# KiCad board beaglebone-ai-rev-a2.kicad_pcb (continued)
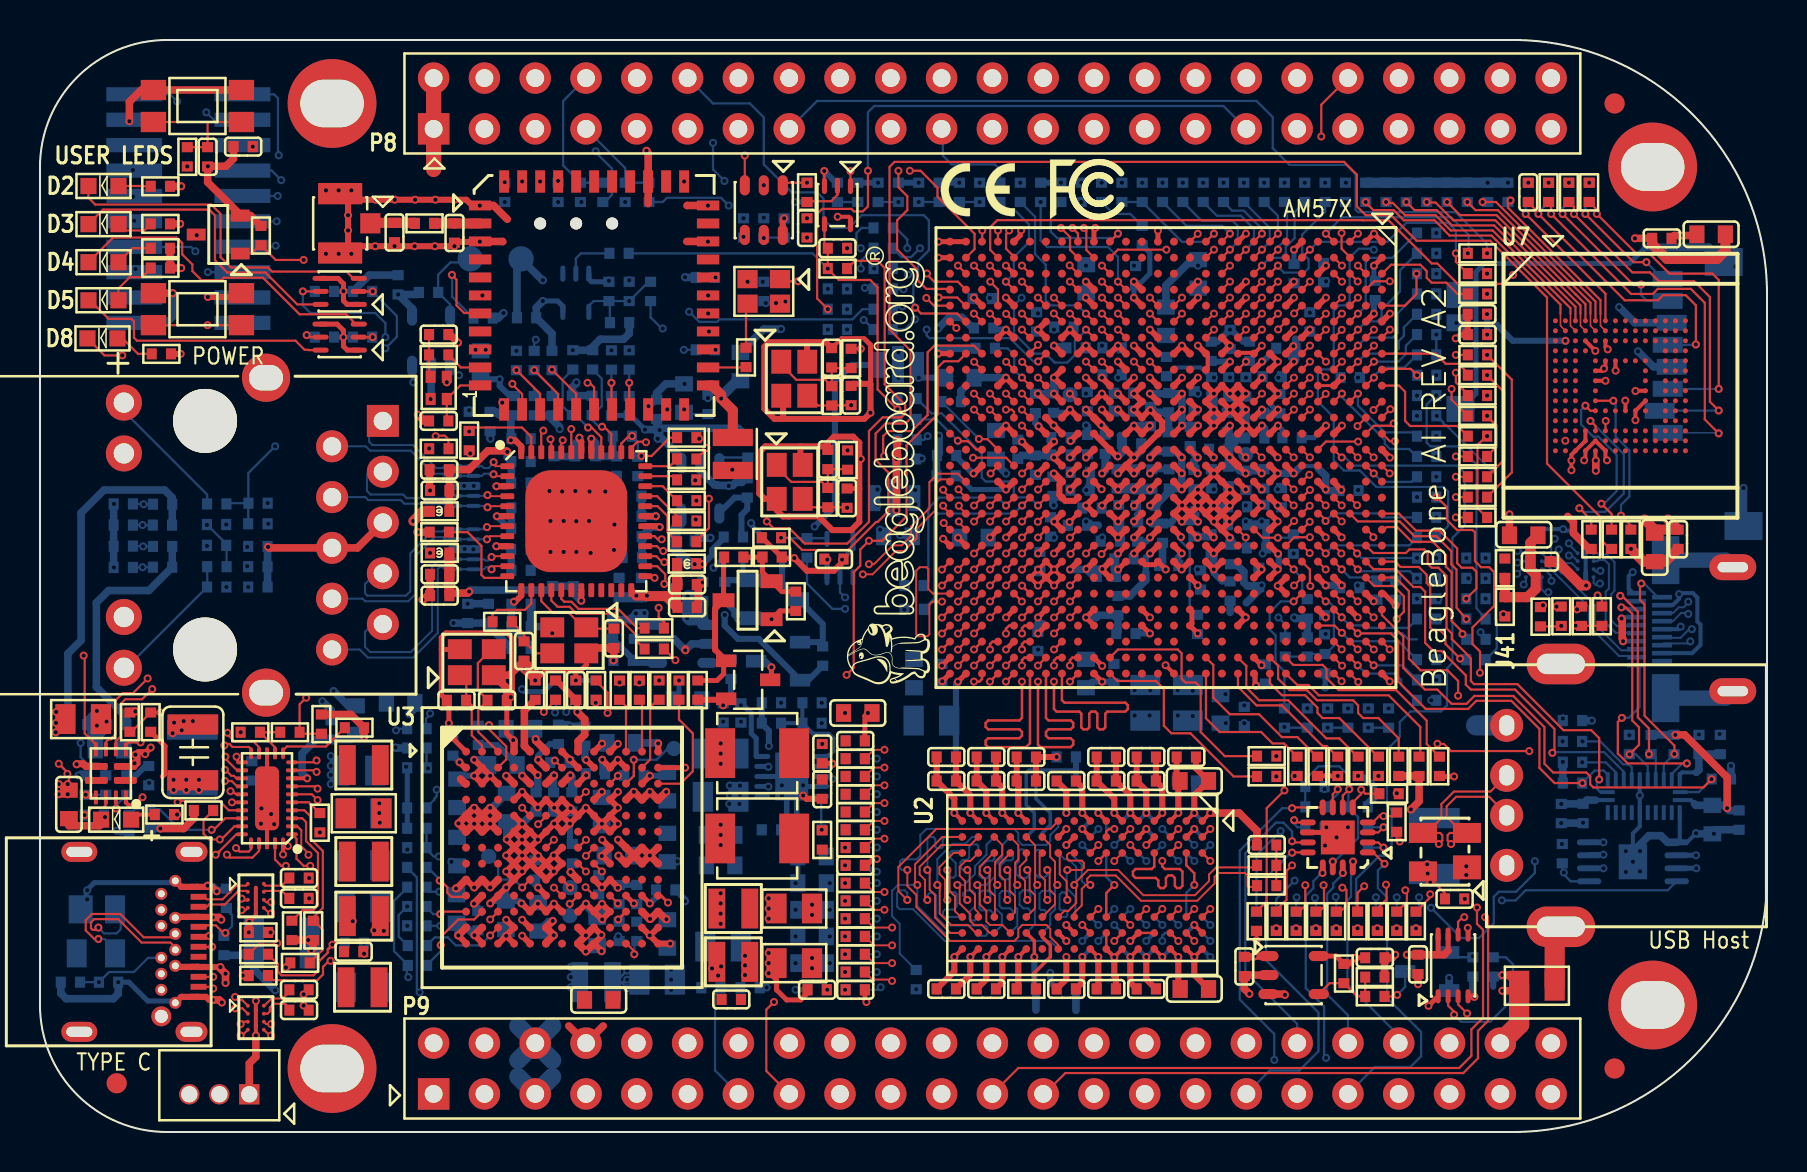
[diagram p0: board, top side]
## Copper pours and planes (outline as drawn; the poured copper is in the pictures) (continued)
Earth on BOTTOM: 76.84,41.68 79.32,41.68 79.78,41.22 79.78,38.46 80.06,38.18 80.06,36.68 79.55,36.17 79.2,36.17 79.02,36.35 79.02,36.83 78.89,36.96 77.01,36.96 76.63,36.58 76.63,34.93 77.17,34.39 77.88,34.39 78.54,33.73 78.54,32.66 77.93,32.05 73.96,32.05 73.58,32.44 73.58,38.63 73.86,38.91 76.48,38.91 76.73,39.17 76.73,41.58
Earth on BOTTOM: 52.83,31.57 55.02,31.57 55.17,31.42 55.17,30.84 55.07,30.73 54.51,30.73 54.25,30.99 53.62,30.99 53.37,30.73 53.37,29.31 53.29,29.24 52.78,29.24 52.63,29.39 52.63,30.81 52.78,30.96 52.78,31.52
Earth on BOTTOM: 21.67,38.2 23.01,38.2 23.19,38.02 23.19,34.52 23.06,34.39 22.2,34.39 21.67,33.86 19.91,33.86 18.72,35.05 18.72,37.39 19.33,38 19.33,38.58 19.46,38.71 19.68,38.71 19.79,38.61 19.79,38.18 20.4,37.57 21.03,37.57
Earth on BOTTOM: 71.48,18.9 71.48,15.65 70.97,15.14 68.5,15.14 68.15,15.49 68.15,19.43 68.94,20.22 69.95,20.22 69.98,20.19 70.43,20.19 71.6,21.36 73.58,21.36 74.14,20.8 74.14,19.76 73.76,19.38 71.96,19.38
Earth on BOTTOM: 60.05,31.62 60.55,31.62 60.68,31.5 60.68,30.91 60.83,30.76 60.83,30.23 60.71,30.1 60.05,30.1 59.99,30.15 59.99,31.57
Earth on BOTTOM: 80.06,34.24 82.63,34.24 82.91,33.96 82.91,31.95 82.22,31.27 80.39,31.27 79.88,31.78 79.88,34.06
Earth on BOTTOM: 43.56,27.69 43.56,25.27 42.77,24.49 42.77,23.14 43.18,22.73 45.21,22.73 45.36,22.58 45.36,22.15 45.03,21.82 44.73,21.82 44.58,21.67 44.58,19.69 45.19,19.08 45.19,18.06 44.98,17.86 43.26,17.86 41.81,19.3 41.02,19.3 41.02,19.96 41,19.96 40.54,20.42 39.95,20.42 39.67,20.7 39.67,24.54 41.02,25.88 41.02,27.31 41.4,27.69
Earth on BOTTOM: 13.49,47.62 22.22,47.62 22.56,47.29 22.56,44.32 22.4,44.17 22.2,44.17 21.87,44.5 21.16,44.5 19.84,43.18 13.54,43.18 13,43.71 13,47.14
Earth on BOTTOM: 61.72,19.38 66.7,19.38 66.98,19.1 66.98,18.26 66.42,17.7 66.01,17.7 65.13,18.59 63.86,18.59 62.97,17.7 61.57,17.7 61.24,18.03 61.24,18.9
Earth on GND_L2: 76.31,49.03 76.31,47.26 78.75,44.82 81.22,44.82 83.39,42.65 83.39,29.97 82.52,29.11 82.52,27.51 83.64,26.39 83.64,24.69 83.06,24.1 78.61,24.1 77.62,25.1 74.45,25.1 73.28,23.93 73.28,22.48 74.68,21.08 82.04,21.08 83.34,19.79 83.34,13.16 82.55,12.37 74.12,12.37 73.18,11.43 73.18,9.17 74.73,7.62 76.1,7.62 76.53,7.19 76.53,4.9 74.93,3.3 19.58,3.3 16.64,6.25 12.9,6.25 10.52,3.86 9.27,3.86 8.84,4.29 8.84,5.51 8.1,6.25 8.1,14.53 6.63,16 4.27,16 3.73,16.54 3.73,19.35 4.47,20.09 12.88,20.09 13.61,20.83 13.61,26.39 13.11,26.9 8.43,26.9 8.18,27.15 8.18,31.62 9.32,32.77 13.28,32.77 13.51,32.99 13.51,39.22 12.52,40.21 4.47,40.21 4.32,40.36 4.32,48.49 5.84,50.01 11.15,50.01 12.67,48.49 17.42,48.49 19.25,50.32 75.03,50.32
Earth on INT_L3: 43.51,50.29 44.91,48.9 75.88,48.9 76.31,48.46 76.31,47.26 78.75,44.82 81.22,44.82 83.39,42.65 83.39,29.97 82.52,29.11 82.52,27.51 83.64,26.39 83.64,24.69 83.08,24.13 78.59,24.13 77.62,25.1 74.45,25.1 73.28,23.93 73.28,22.48 74.68,21.08 82.04,21.08 83.34,19.79 83.34,13.16 82.55,12.37 74.12,12.37 73.18,11.43 73.18,9.17 74.73,7.62 76.1,7.62 76.53,7.19 76.53,4.9 74.93,3.3 59.03,3.3 57.51,4.83 39.32,4.83 37.8,3.3 19.58,3.3 16.64,6.25 12.9,6.25 10.52,3.86 9.27,3.86 8.84,4.29 8.84,5.51 8.1,6.25 8.1,14.53 6.63,16 4.27,16 3.73,16.54 3.73,19.35 4.47,20.09 12.88,20.09 13.61,20.83 13.61,26.47 13.16,26.92 8.46,26.92 8.2,27.18 8.2,31.57 9.4,32.77 13.28,32.77 13.51,32.99 13.51,39.22 12.52,40.21 4.47,40.21 4.32,40.36 4.32,48.49 5.84,50.01 11.15,50.01 12.67,48.49 17.42,48.49 19.25,50.32 43.51,50.32
Earth on GND_L4: 76.33,49.53 76.33,47.24 78.75,44.82 81.22,44.82 83.39,42.65 83.39,29.97 82.52,29.11 82.52,27.51 83.64,26.39 83.64,24.69 83.06,24.1 78.61,24.1 77.62,25.1 74.47,25.1 73.28,23.9 73.28,22.48 74.68,21.08 82.04,21.08 83.34,19.79 83.34,13.16 82.55,12.37 74.12,12.37 73.18,11.43 73.18,9.17 74.73,7.62 76.1,7.62 76.53,7.19 76.53,4.9 74.93,3.3 19.58,3.3 16.64,6.25 12.9,6.25 10.52,3.86 9.27,3.86 8.84,4.29 8.84,5.51 8.1,6.25 8.1,14.53 6.63,16 4.27,16 3.73,16.54 3.73,19.35 3.12,19.96 2.72,19.96 2.59,20.09 2.59,21.16 2.72,21.29 5,21.29 5.59,20.7 7.7,20.7 8.31,20.09 12.88,20.09 13.61,20.83 13.61,26.47 13.16,26.92 8.46,26.92 8.2,27.18 8.2,31.57 9.4,32.77 13.28,32.77 13.49,32.97 13.49,39.24 12.52,40.21 4.47,40.21 4.32,40.36 4.32,48.49 5.84,50.01 11.15,50.01 12.67,48.49 17.42,48.49 19.25,50.32 75.54,50.32
Earth on SIG_L5: 76.33,49.53 76.33,47.24 78.75,44.82 81.22,44.82 83.39,42.65 83.39,29.97 82.52,29.11 82.52,27.51 83.64,26.39 83.64,24.69 83.06,24.1 78.61,24.1 77.62,25.1 74.47,25.1 73.28,23.9 73.28,22.48 74.68,21.08 82.04,21.08 83.34,19.79 83.34,13.16 82.55,12.37 74.12,12.37 73.18,11.43 73.18,9.17 74.73,7.62 76.1,7.62 76.53,7.19 76.53,4.9 74.93,3.3 63.13,3.3 63.13,7.56 58.56,7.56 58.56,3.3 19.58,3.3 16.64,6.25 12.9,6.25 10.52,3.86 9.27,3.86 8.84,4.29 8.84,5.51 8.1,6.25 8.1,14.53 6.63,16 4.27,16 3.73,16.54 3.73,19.35 3.12,19.96 2.72,19.96 2.59,20.09 2.59,21.16 2.72,21.29 5,21.29 5.59,20.7 7.7,20.7 8.31,20.09 12.88,20.09 13.49,20.7 13.49,39.24 12.52,40.21 4.47,40.21 4.32,40.36 4.32,48.49 5.84,50.01 11.15,50.01 12.67,48.49 17.42,48.49 19.25,50.32 75.54,50.32
Earth on SIG_L8: 76.33,49.58 76.33,47.24 78.75,44.82 81.22,44.82 83.39,42.65 83.39,29.97 82.52,29.11 82.52,27.51 83.64,26.39 83.64,24.69 83.06,24.1 78.61,24.1 77.62,25.1 74.45,25.1 73.28,23.93 73.28,22.48 74.68,21.08 82.04,21.08 83.34,19.79 83.34,13.16 82.55,12.37 74.12,12.37 73.18,11.43 73.18,9.17 74.73,7.62 76.1,7.62 76.53,7.19 76.53,4.9 74.93,3.3 71.68,3.3 71.35,3.63 71.35,4.45 70.41,5.38 22.71,5.38 20.62,3.3 19.38,3.3 16.59,6.1 12.93,6.1 10.08,3.25 8.43,3.25 8.1,3.58 8.1,14.53 6.63,16 4.27,16 3.73,16.54 3.73,19.35 4.47,20.09 12.88,20.09 13.64,20.85 13.64,39.09 12.52,40.21 4.47,40.21 4.32,40.36 4.32,48.49 5.84,50.01 11.15,50.01 12.67,48.49 17.42,48.49 19.25,50.32 75.59,50.32
Earth on GND_L9: 76.3,49.56 76.3,47.27 78.75,44.82 81.22,44.82 83.39,42.65 83.39,29.97 82.52,29.11 82.52,27.51 83.64,26.39 83.64,24.69 83.06,24.1 78.61,24.1 77.62,25.1 74.45,25.1 73.28,23.93 73.28,22.48 74.68,21.08 82.04,21.08 83.34,19.79 83.34,13.16 82.55,12.37 74.12,12.37 73.18,11.43 73.18,9.17 74.73,7.62 76.1,7.62 76.53,7.19 76.53,4.9 74.93,3.3 19.58,3.3 16.64,6.25 12.9,6.25 10.52,3.86 9.27,3.86 8.84,4.29 8.84,5.51 8.1,6.25 8.1,14.53 6.63,16 4.27,16 3.73,16.54 3.73,19.35 4.47,20.09 12.88,20.09 13.61,20.83 13.61,26.39 13.11,26.9 8.43,26.9 8.18,27.15 8.18,31.62 9.32,32.77 13.28,32.77 13.51,32.99 13.51,39.22 12.52,40.21 4.47,40.21 4.32,40.36 4.32,48.49 5.84,50.01 11.15,50.01 12.67,48.49 17.42,48.49 19.25,50.32 75.54,50.32
Earth on SIG_L10: 76.33,49.58 76.33,47.24 78.75,44.82 81.22,44.82 83.39,42.65 83.39,29.97 82.52,29.11 82.52,27.51 83.64,26.39 83.64,24.69 83.06,24.1 78.61,24.1 77.62,25.1 74.45,25.1 73.28,23.93 73.28,22.48 74.7,21.06 82.07,21.06 83.34,19.79 83.34,13.16 82.55,12.37 74.12,12.37 73.18,11.43 73.18,9.17 74.73,7.62 76.1,7.62 76.53,7.19 76.53,4.9 74.93,3.3 72.16,3.3 70.03,5.44 22.45,5.44 20.57,3.56 19.33,3.56 16.79,6.1 12.75,6.1 10.52,3.86 9.25,3.86 8.84,4.27 8.84,5.28 8.1,6.02 8.1,14.53 6.63,16 4.27,16 3.73,16.54 3.73,19.35 4.47,20.09 12.88,20.09 13.64,20.85 13.64,39.09 12.52,40.21 4.47,40.21 4.32,40.36 4.32,48.49 5.84,50.01 11.15,50.01 12.67,48.49 17.42,48.49 19.25,50.32 75.59,50.32
Earth on GND_L11: 76.33,49.58 76.33,47.24 78.75,44.82 81.22,44.82 83.39,42.65 83.39,29.97 82.52,29.11 82.52,27.51 83.64,26.39 83.64,24.69 83.06,24.1 78.61,24.1 77.62,25.1 74.45,25.1 73.28,23.93 73.28,22.48 74.68,21.08 82.04,21.08 83.34,19.79 83.34,13.16 82.55,12.37 74.12,12.37 73.18,11.43 73.18,9.17 74.73,7.62 76.1,7.62 76.53,7.19 76.53,4.9 74.93,3.3 19.58,3.3 16.64,6.25 12.9,6.25 10.52,3.86 9.27,3.86 8.84,4.29 8.84,5.51 8.1,6.25 8.1,14.53 6.63,16 4.27,16 3.73,16.54 3.73,19.35 4.47,20.09 12.88,20.09 13.61,20.83 13.61,26.39 13.11,26.9 8.43,26.9 8.18,27.15 8.18,31.62 9.32,32.77 13.28,32.77 13.51,32.99 13.51,39.22 12.52,40.21 4.47,40.21 4.32,40.36 4.32,48.49 5.84,50.01 11.15,50.01 12.67,48.49 17.42,48.49 19.25,50.32 75.59,50.32
PHY_VDD_1V0 on SIG_L5: 23.85,26.52 22.61,27.76 22.61,33.43 24.05,34.87 28.19,34.87 31.04,32.03 31.04,30.66 30.18,29.79 30.18,27.36 30.56,26.97 30.56,26.7 30.38,26.52
PHY_VDDA_2V5 on PWR_L7: 13.64,26.75 13.64,25.16 13.94,24.85 26.38,24.85 27.46,25.93 27.46,32.03 25.27,34.21 21.25,34.21 19.76,32.73 10.07,32.73 8.97,31.62 8.97,27.38 9.32,27.03 13.36,27.03
PHY_VDDIO_3V3 on SIG_L8: 28.73,26.31 31.5,29.08 31.5,33.38 28.75,36.12 27.25,36.12 25.37,38 25.37,38.28 25.53,38.43 26.52,38.43 26.82,38.74 26.82,39.19 26.7,39.32 25.4,39.32 24.71,38.63 22.86,38.63 21.16,36.93 21.16,36.02 21.26,35.92 25.27,35.92 25.81,35.38 26.39,35.38 26.62,35.15 26.62,34.54 26.19,34.11 25.15,34.11 24.84,34.42 19.35,34.42 19.15,34.21 19.15,33.4 20.78,31.78 20.78,27.2 21.13,26.85 26.26,26.85 26.8,26.31
TypeC_VBUS on TOP: 0.71,16.79 0.84,16.66 1.96,16.66 2.08,16.79 2.08,18.03 2.16,18.11 2.36,18.11 2.51,18.26 2.51,18.54 2.5,18.55 2.5,18.91 2.26,19.15 0.86,19.15 0.71,19
TypeC_VBUS on BOTTOM: 1.19,20.73 1.1,20.64 1.1,18.83 0.63,18.36 0.63,16.81 0.75,16.7 2.36,16.7 2.53,16.87 2.54,16.87 2.54,17.88 1.85,18.57 1.85,20.68 1.8,20.73
TypeC_VBUS on SIG_L8: 0.67,19.77 0.67,5.91 3.43,3.15 10.85,3.15 12.47,4.78 12.47,15.44 8.14,19.77
USB_VBUS on TOP: 68.5,13.64 69.77,13.64 69.98,13.44 69.98,12.8 70.48,12.29 70.48,11.35 70.43,11.3 69.98,11.3 69.93,11.35 69.93,11.96 69.62,12.27 68.63,12.27 68.4,12.5 68.4,13.54
USB_VBUS on BOTTOM: 77.24,14.88 78.26,14.88 78.41,14.73 78.41,13.06 78.33,12.98 77.39,12.98 77.19,13.18 77.19,14.83
USB_VBUS on PWR_L6: 70.36,14.88 75.34,14.88 75.46,14.76 75.46,14.15 75.72,13.89 76.76,13.89 77.88,15.01 78.94,15.01 79.1,14.86 79.1,12.75 78.74,12.4 74.09,12.4 73.63,11.94 69.62,11.94 69.22,12.34 69.22,13.74
VTT on TOP: 40.03,19.84 40.03,17.88 38.84,17.88 38.84,17.37 40.03,17.37 40.03,14.38 38.84,14.38 38.84,13.87 39.29,13.87 39.29,7.39 39.09,7.39 39.09,6.83 40.54,6.83 40.54,19.84
VTT on BOTTOM: 40.03,19.84 40.03,17.91 39.42,17.91 39.42,17.45 40.03,17.45 40.03,14.22 39.09,14.22 39.09,6.83 40.54,6.83 40.54,19.84
Net-(C21-Pad1) on TOP: 21.44,17.37 21.44,17.6 20.7,18.34 20.7,19.05 19.2,20.55 19.2,20.98 19.05,21.13 18.39,21.13 18.21,20.96 18.21,19.91 20.83,17.3 21.36,17.3
Net-(C21-Pad1) on BOTTOM: 18.44,20.65 19.05,20.65 19.23,20.83 19.23,21.74 19.08,21.89 18.47,21.89 18.29,21.72 18.29,20.8
Net-(L1-Pad1) on TOP: 29.19,15.54 29.09,15.64 29.09,15.93 29.54,16.38 31.17,16.38 33,18.22 33,19.88 33.31,20.19 34.76,20.19 34.76,17.7 34.53,17.7 32.37,15.54
Net-(L1-Pad1) on SIG_L5: 29.14,16.01 29.14,19.86 29.47,20.19 34.01,20.19 34.24,19.96 34.24,16.26 33.99,16.01
Net-(L2-Pad1) on TOP: 32.26,13.49 31.24,14.5 29.21,14.5 29.06,14.65 29.06,15.1 29.25,15.29 32.63,15.29 33.27,15.93 34.76,15.93 34.76,13.44 32.31,13.44
Net-(L2-Pad1) on SIG_L5: 29.06,15.25 29.39,15.57 34.1,15.57 34.24,15.43 34.24,13.77 33.91,13.44 29.26,13.44 29.06,13.63
Net-(L16-Pad1) on TOP: 32.52,10.18 31.7,11 31.7,11.61 31.17,12.14 29.31,12.14 29.08,12.37 29.08,13.06 29.18,13.16 33.81,13.16 34.27,12.69 34.27,10.18
Net-(L16-Pad1) on SIG_L5: 29.08,13.06 29.18,13.16 34.01,13.16 34.26,12.9 34.26,10.31 33.88,9.93 29.31,9.93 29.08,10.16
Net-(L17-Pad1) on TOP: 23.11,14.42 22.79,14.74 20.95,14.74 20.7,14.99 16.75,14.99 16.57,14.81 16.57,12.76 18.35,12.76 19.49,13.91 22.99,13.91 23.11,14.03
Net-(L17-Pad1) on SIG_L5: 16.62,13.53 23.11,13.53 23.24,13.65 23.24,15.6 22.96,15.88 16.69,15.88 16.38,15.57 16.38,13.77
Net-(L18-Pad1) on TOP: 19.62,12.38 19.88,12.64 20.9,12.64 21.16,12.9 22.78,12.9 23.11,13.23 23.11,13.23 23.11,13.51 22.96,13.67 19.75,13.67 17.87,11.79 16.59,11.79 16.57,11.77 16.57,9.78 19.25,9.78 19.62,10.15
Net-(L18-Pad1) on SIG_L5: 23.11,13.04 22.89,13.27 16.65,13.27 16.38,13 16.38,9.96 16.69,9.65 22.89,9.65 23.11,9.88
Net-(L19-Pad1) on TOP: 24.71,10.45 24.35,10.45 24,10.1 24,9.4 17.48,9.4 16.51,8.43 16.51,6.25 16.33,6.07 16.33,5.74 16.43,5.64 24.13,5.64 24.94,6.45 24.94,10.22
Net-(L19-Pad1) on SIG_L5: 16.68,5.47 24.71,5.47 25.02,5.78 25.02,10.41 24.51,10.92 23.88,10.92 23.62,10.67 23.62,9.63 23.39,9.4 16.83,9.4 16.26,8.82 16.26,5.89
Net-(L20-Pad1) on TOP: 23.07,16.38 23.14,16.46 23.14,16.94 22.91,17.17 21.18,17.17 21.16,17.15 20.56,17.15 18.34,19.37 16.57,19.37 16.57,17.34 17.3,17.34 18.63,16 20.78,16 21.16,16.38
Net-(L20-Pad1) on SIG_L5: 23.07,16.38 23.15,16.47 23.15,18.55 22.86,18.85 17.6,18.85 17.51,18.76 17.51,16.57 17.7,16.38
Net-(L21-Pad1) on TOP: 28.69,10.43 28.35,10.43 28.25,10.33 28.25,7.51 28.4,7.37 30.3,7.37 31.32,8.38 31.7,8.38 32.72,7.37 34.21,7.37 34.27,7.42 34.27,7.52 34.27,7.52 34.27,9.51 29.61,9.51
Net-(L21-Pad1) on SIG_L5: 34.39,6.55 34.39,9.25 34.11,9.53 28.91,9.53 28.42,9.04 28.42,6.52 28.84,6.1 33.93,6.1
Net-(L22-Pad1) on TOP: 26.51,10.49 26.06,10.49 25.88,10.31 25.88,9.37 25.78,9.27 25.84,9.21 25.84,7.14 25.86,7.14 26.02,6.97 26.57,6.97 26.67,7.07 26.67,10.33
Net-(L22-Pad1) on BOTTOM: 26.19,10.16 26.16,10.13 26.16,9.14 26.35,8.95 26.35,6.57 26.44,6.48 27.42,6.48 27.42,8.27 26.8,8.89 26.8,10.16
Net-(L22-Pad1) on SIG_L5: 25.86,6.1 27.69,6.1 27.87,6.28 27.87,9.74 27.58,10.03 25.91,10.03 25.53,9.65 25.53,6.43

Small or netless copper shapes (teardrops, artwork), in the pictures only: 3 on TOP, 5 on BOTTOM

## Text on the board
User.Drawings: LAYERS STACKUP | L8 INNER | L9 INNER | L10 INNER | L11 INNER | L12 BOTTOM | L2 INNER | L3 INNER | L4 INNER | L5 INNER | L6 INNER | L7 INNER | PREPREG | TOP | LAYER | MATERIAL | COPPER | FR4 | THICKNESS | 3.16MIL | 7.87MIL | 4.18MIL | 4.22MIL | 0.5 OZ | H OZ | 4.72MIL | LAYER TYPE | ROUTING | PLANE | SINGLE 50OHM+/-10% | LINE WIDTH(MIL) | DIFFERENCE 90OHM-/+10% | LINE WIDTH/SPACE(MIL) | IMPEDANCE | DIFFERENCE 100OHM-/+10% | 6. FINISH: | 7. SILKSCREEN: | 1. ACCEPTABILITY: | 2. MATERIAL: | 3. FABRICATION REQUIREMENTS: | 4. FABRICATION TOLERANCE: | 5. SOLDER MASK: | 8. BOW AND TWIST: | 9. MEASUREMENTS: | 10.ENVIRONMENTAL: | A0 | A2-KiCad | A2 | REV | A1 | A). ENIG, GOLD THICKNESS IS 0.05 UM ~{0.23UM,NICKEL} THICKNESS IS 3 UM ~{6} UM. | A). PRIMARY AND SECONDARY SIDES USING A GLOSSY , NON-CONDUCTIVE, ROHS COMPLIANT, | B). NO SILKSCREEN ALLOWED ON PADS OR IN HOLES | C). MANUFACTUREERS CAN ADD SYMBOL IN SILKSCREEN LAYER OR SOLDER MASK LAYER, | E). SOLDER MASK BRIDGE BETWEEN PADS SHOULD BE MINIMUM 0.10MM | PRINTED WIRING BOARD SHALL MEET THE REQUIREMENTS OF IPC- 6012C CLASS 2. | GLASS EPOXY FR-4 FIRE RETARDANT AND UL 94V-0 RATING MATERIAL SHOULD MEET | IPC-4101C | A). FAB TO MEET THE REQUIREMENTS PER IPC-A-600, CLASS 2 | B). ALL ARTWORK OR ELECTRONIC DATA MAY BE ADJUSTED BY THE BOARD | C). FABRICATE ACCORDING TO THE FILES PART NO: | D). SOLDER MASK COLOR GLOSSY WHITE,SILKSCREEN COLOR  BLACK | E). FINISH ENIG | A). WIRE WIDTH TOLERANCE INTERNAL CONTROL STANDARD +/-20% | B). PTH  DIAMETER TOLERANCE +/-0.076MM,NPTH DIAMETER TOLERANCE +/-0.05MM | C). ALL OUTER LAYER PADS REQUIRE +/-0.05MM TOLERANCE. | D). LAYER REGISTRATION BETWEEN ADJACENT LAYER MAXIMUN 150UM, THE INTERLAYER | E). THICKNESS IS LESS THAN 1MM PCB TO A TOLERANCE OF +/-0.1MM,THICKNESS IS | A). MATERIALS IN ACCORDANCE WITH IPC-SM-840E CLASS T STANDARDS AND ROHS | B). SOLDER MASK BOTH PRIMARY AND SECONDARY SIDES, THE ADHESION OF SOLDER | C). SOLDER MASK COVERAGE ON THE MIDDLE OF THE COPPER WIRE MINIMUM 10UM,EDGE | D). ALL HOLES WITH SOLDER MASK COVERED IN THE GERBER SHOULD BE PULGED | MAX BOW & TWIST OF PCB SHALL NOT EXCEED 0.75% OF MAXIMUN DIMENSION, | MEASUREMENT METHOD IN 2.4.22 OF IPC-TM-650 IS FOR REFERENCE | INTERPRET ALL DIMENSIONS AND TOLERANCES PER IPC-D-300G, CLASS B AND ALL | DIMENSIONS ARE METRIC, DIMENSIONS ARE AFTER ETCHING AND PLATING. | THE  PCB SUPPLIER SHALL PROVIDE A SIGNED CERTIFICATE OF COMPLIANCE BY | AUTHORIZED QA  REPRESENTATIVE. THE BASE MATERIAL OF PCB SHALL NOT CONTAIN THE | BANNED SUBSTANCES LISTED IN THE CERTIFICATE OF COMPLIANCE. | EPOXY BASED INK | ALLOW TO INCREASE SYMBOL :ASSEMBLY REF , DATE CODE, LEAD-FREE SYMBOL, UL FILE | NUMBER,UL TYPE, UL SYMBOL AND FIRE RATING,NO LIST DOES NOT ALLOW TO INCREASE. | MANUFACTURER TO COMPENSATE FOR MANUFACTURING PROCESS TOLERANCES, | ADDITION OF FILLETS TEARDROPS AT LINE / PAD INTERFACE IS PREFERRED. | THIEVING IS ALLOWED TO COMPENSATE FOR HIGH COPPER DENSITY AREAS | 1001001000780_ BEAGLEBONE AI_GERBER_REVA1 FILE FOR MANUFACTURING | DIELECTRIC THICKNESS TOLERANCE +/-15% | GREATER THAN OR EQUAL TO 1MM PCB TO A TOLERANCE OF +/-10% | REQUIREMENTS | MASK MEET THE REQUIREMENTS OF IPC-A-600F LEVEL 2 | COVERAGE OF THE COPPER WIRE MINIMUM 4UM, SOLDER MASK MISREGISTRATION | MAXIM 2.5MIL | RESIN | ALL VIAS IN PADS WITH HOLE DIAMETER LESS THAN 0.4MM SHOULD BE FILLED WITH | ACTION | THIRD RELEASE - KICAD TRANSLATION | THIRD RELEASE | FIRST RELEASE | SECOND RELEASE | 2018/08/30 | 2021/02/01 | 2020/05/27 | 2018/12/21 | DATE | JESSIE.YAN | KICAD SERVICES | SEEED | AUTH | W:4.5 | W:4 | W:4.3/S:7.5 | W:4.3/S:6 | W:4.5/S:6 | W:3.7/S:8.3 | W:4/S:7 | W:4/S:6 | LAYERS LAMINATION & IMPENDANCE  CONTROL | THE TOTAL THICKNESS: | 1.6MM+/-10% | NOTE | REVISIONS
F.Silkscreen: TYPE C | POWER | AM57X | USB Host | USER LEDS | BeagleBone AI REV A2
